# Altium PCB PCIE_X4_X16_ADP_V1.PcbDoc
Units mm, origin at the board's own origin, x right, y up, seen from the top; angles counter-clockwise.
Board outline 140 x 60 mm, 4 copper layers (L1 [TOP], L2, L3, L4 [BOT]), stack 1.548 mm thick; 25 components, 43 nets, 266 pads, 530 vias.
Unrouted connection lines stored in the file: 154.
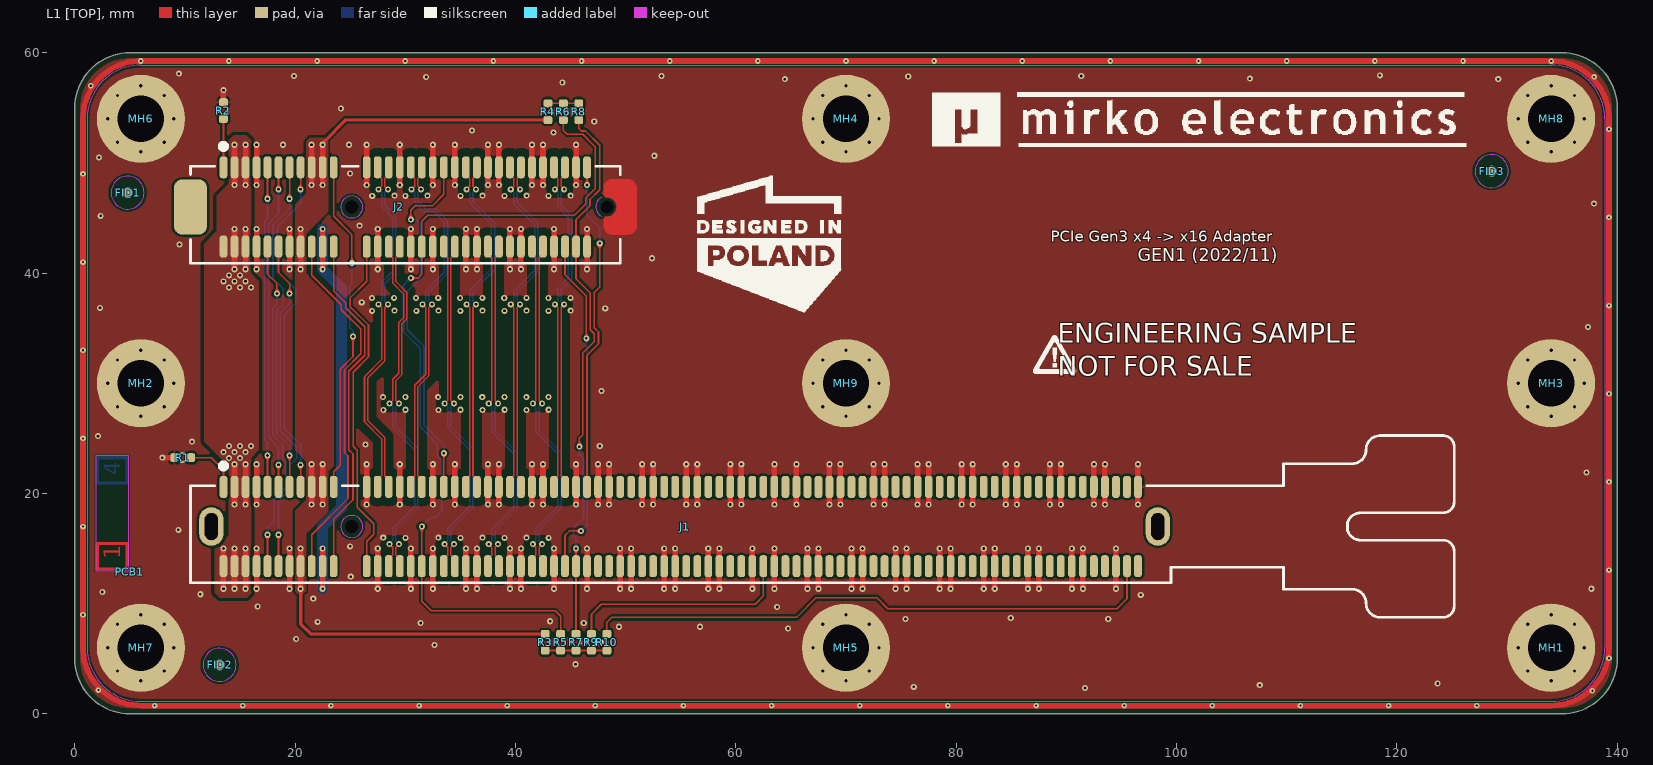
[diagram p0: L1 [TOP] view]
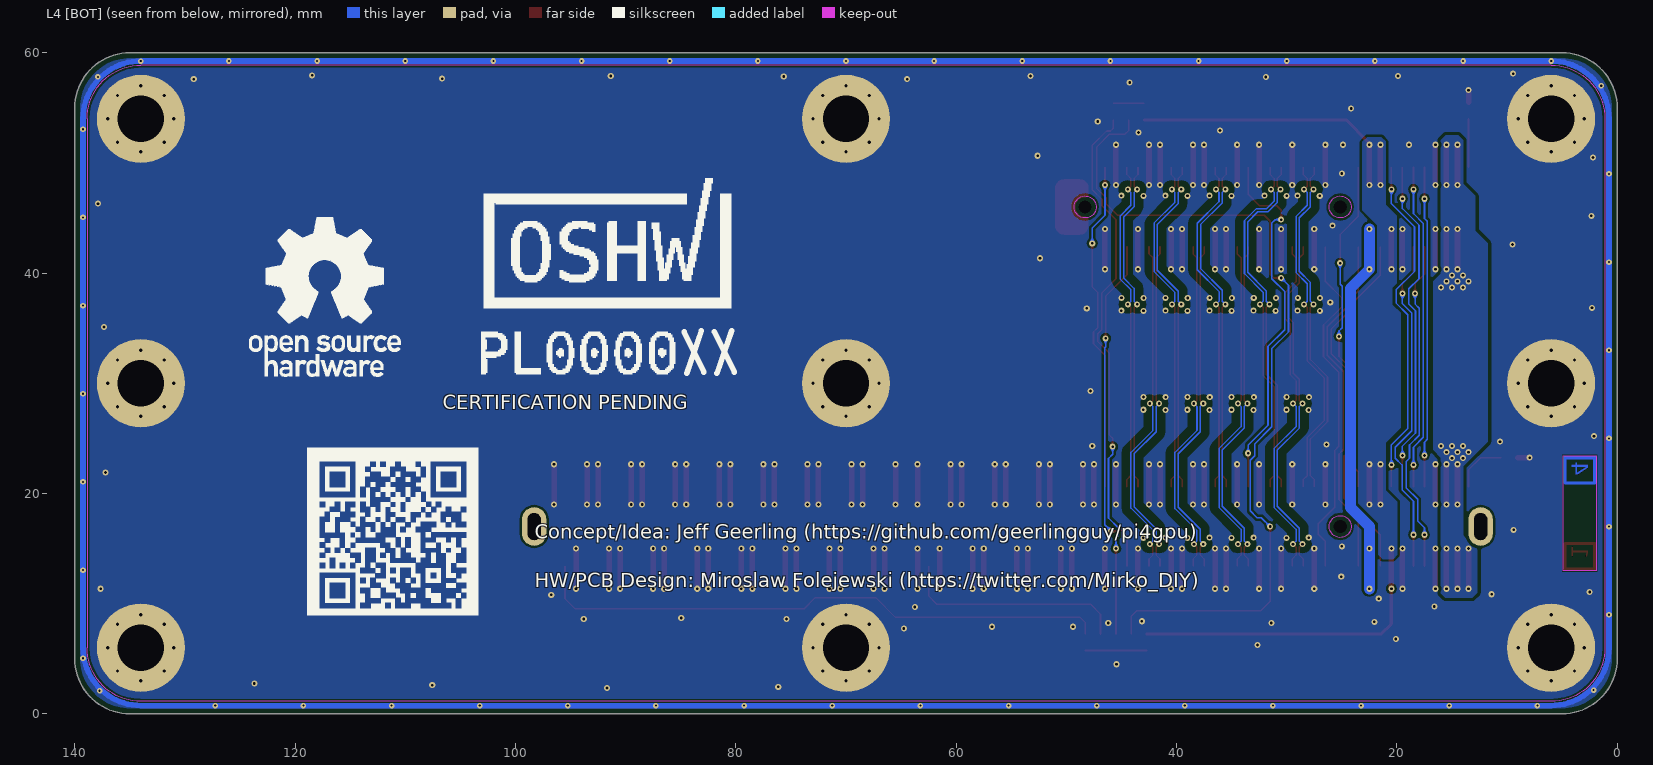
[diagram p1: L4 [BOT] view, seen from below]
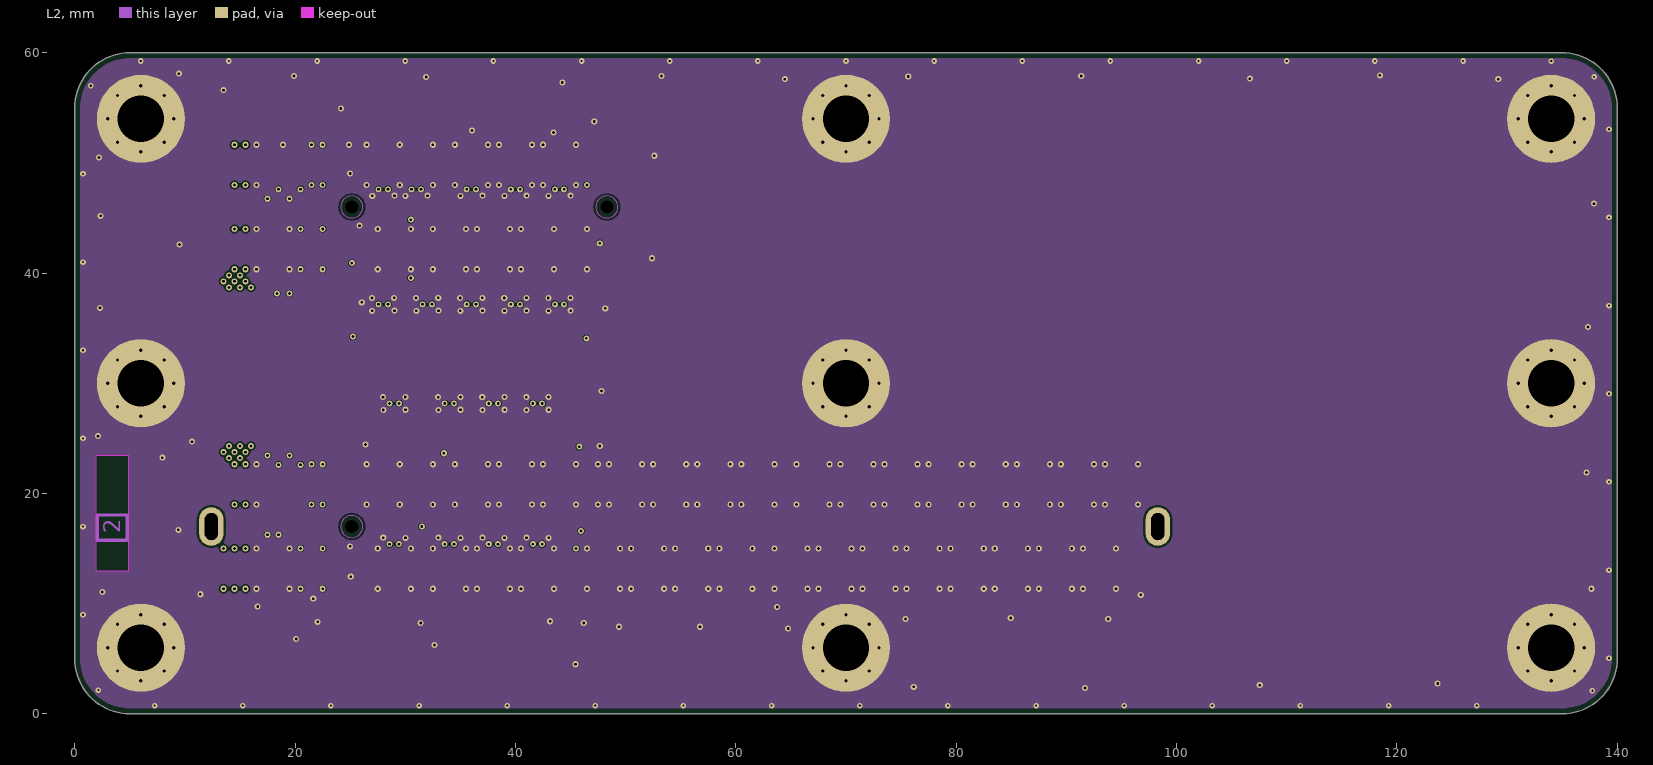
[diagram p2: L2]
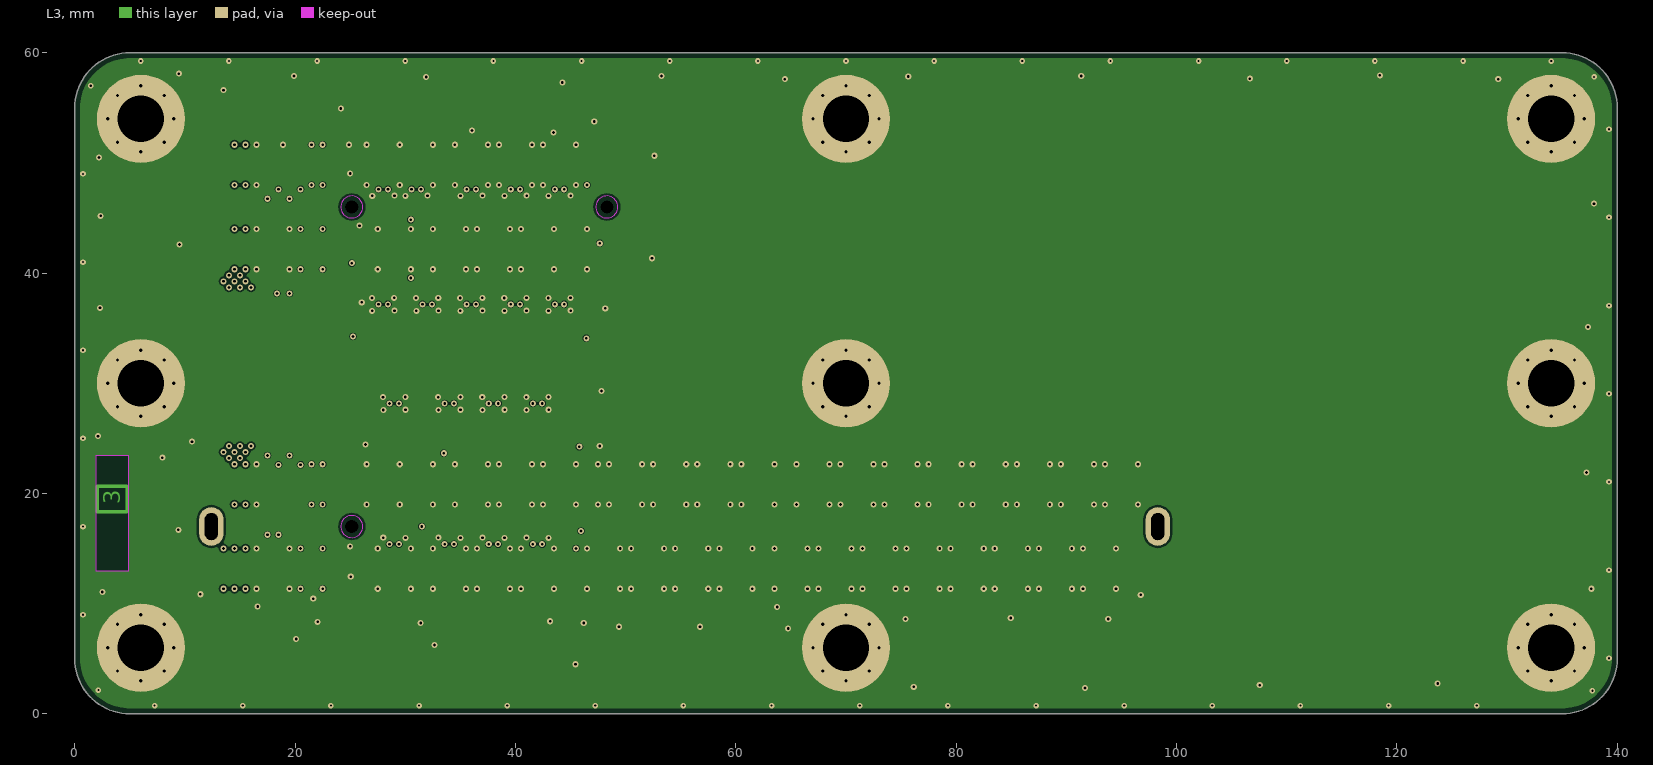
[diagram p3: L3]
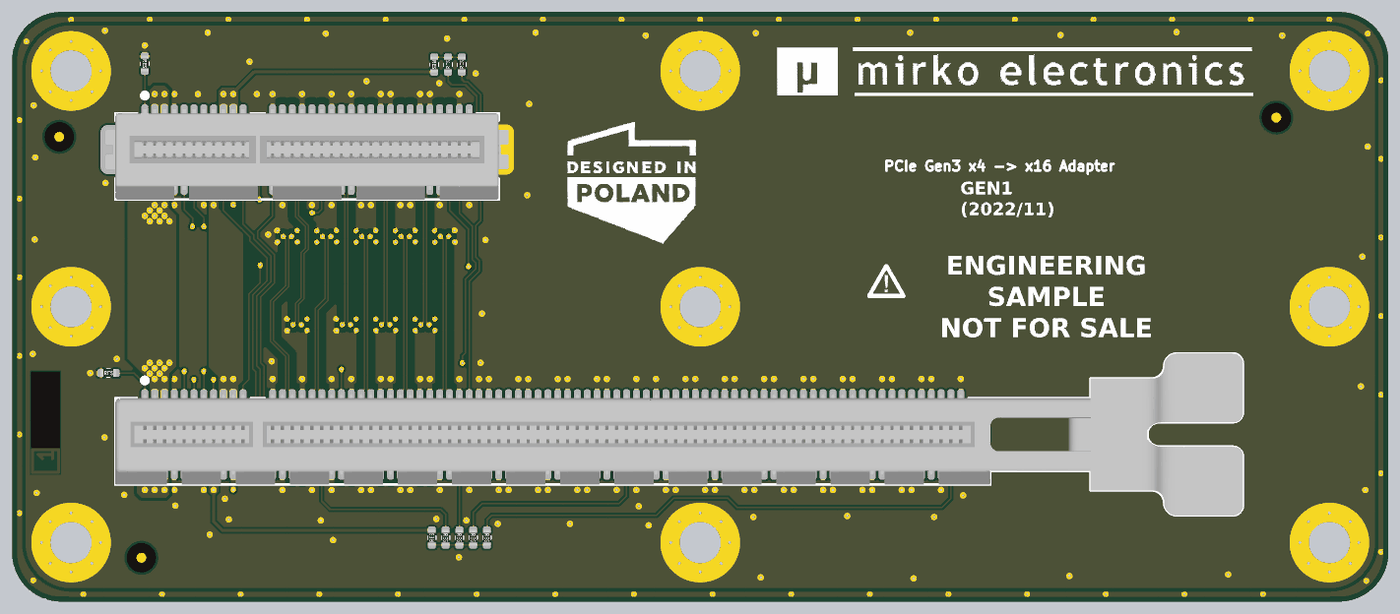
[diagram p4: 3D render of the assembled board from above, using the file's embedded part models]

## Layer stack, top to bottom
Solder [TOP]: solder mask 0.01, Solder Resist, Dk 3.5
L1 [TOP]: signal copper 0.035
prepreg #1: prepreg 0.089, PP-006, Dk 4.05
L2: signal copper 0.0175
Core: dielectric 1.265, FR-4, Dk 4.05
L3: signal copper 0.0175
prepreg #2: prepreg 0.089, PP-006, Dk 4.05
L4 [BOT]: signal copper 0.035
Solder [BOT]: solder mask 0.01, Solder Resist, Dk 3.5

## Board outline
0,5 ccw(c5,5) 5,0 135,0 ccw(c135,5) 140,5 140,55 ccw(c135,55) 135,60 5,60 ccw(c5,55) 0,55

## Design rules (kind name [scope] priority, off if disabled: settings)
BoardOutlineClearance BoardOutlineClearance_indicator [InComponent('PCB1')] p1: gap=0 ignorepadtopadclearanceinfootprint=FALSE
BoardOutlineClearance BoardOutlineClearance_Silk [IsText] p2: gap=0 ignorepadtopadclearanceinfootprint=FALSE
BoardOutlineClearance [All] p3: gap=0.5 ignorepadtopadclearanceinfootprint=FALSE
Clearance Clearance_PP12000H [InNet('PP12000H')] p1: gap=0.3 ignorepadtopadclearanceinfootprint=FALSE
Clearance Clearance_marking [InComponent('PCB1')] p2: gap=0 ignorepadtopadclearanceinfootprint=FALSE
Clearance Clearance_Diff_to_Plane [(InDifferentialPairClass('All Differential Pairs') AND OnLayer('L1 [TOP]')) OR (InDifferentialPairClass('All Differential Pairs') AND OnLayer('L4 [BOT]')) vs (OnLayer('L1 [TOP]') AND InPolygon) OR (OnLayer('L4 [BOT]') AND InPolygon)] p3: gap=0.75 ignorepadtopadclearanceinfootprint=FALSE
Clearance Clearance_polygon [InPolygon] p4: gap=0.2 ignorepadtopadclearanceinfootprint=FALSE
Clearance [All] p5: gap=0.15 ignorepadtopadclearanceinfootprint=FALSE
DiffPairsRouting DiffPairsRouting_90R [InDifferentialPairClass('PCIE')] p1: maxlimit=0.254 minlimit=0.1 mostfreqgap=0.254 toplayer_mingap=0.152 toplayer_maxgap=0.152 toplayer_prefgap=0.152 toplayer_minwidth=0.141 toplayer_maxwidth=0.141 toplayer_prefwidth=0.141 bottomlayer_mingap=0.152 bottomlayer_maxgap=0.152 bottomlayer_prefgap=0.152 bottomlayer_minwidth=0.141 bottomlayer_maxwidth=0.141 bottomlayer_prefwidth=0.141 impedanceprofiledriven=TRUE impedanceprofileid={8FC450CF-D034-4B47-A42F-9FC182DC13DA} impedanceprofilevalue=90.000000 maxuncoupledlength=12.7 // Camera
DiffPairsRouting [All] p2: maxlimit=0.254 minlimit=0.254 mostfreqgap=0.254 toplayer_minwidth=0.381 toplayer_maxwidth=0.381 toplayer_prefwidth=0.381 midlayer1_minwidth=0.381 midlayer1_maxwidth=0.381 midlayer1_prefwidth=0.381 midlayer2_minwidth=0.381 midlayer2_maxwidth=0.381 midlayer2_prefwidth=0.381 bottomlayer_minwidth=0.381 bottomlayer_maxwidth=0.381 bottomlayer_prefwidth=0.381 maxuncoupledlength=12.7
HoleSize [All] p1: absolutevalues=TRUE maxlimit=5 minlimit=0.2 maxpercent=80.000 minpercent=20.000
HoleToHoleClearance [All] p1: gap=0.4 allowstackedmicrovias=TRUE
MatchedLengths MatchedLengths_PCIE [InDifferentialPairClass('PCIE')] p1: tolerance=3 checknetsindiffpair=FALSE checkdiffpairvsdiffpair=TRUE checkxsignals=TRUE checkothers=TRUE
MatchedLengths [InDifferentialPair('No Differential Pair')] p2: tolerance=0.05 checknetsindiffpair=TRUE checkdiffpairvsdiffpair=FALSE checkxsignals=FALSE checkothers=FALSE
MinimumAnnularRing [All] p1: minimumring=0.1
MinimumSolderMaskSliver [All] p1: minsoldermaskwidth=0.05
PlaneClearance [All] p1: clearance=0.5
PlaneConnect [All] p1: planeconnectstyle=Relief reliefexpansion=0.5 reliefentries=4 reliefconductorwidth=0.5 reliefairgap=0.3
PolygonConnect PolygonConnect_via [IsVia] p1: connectstyle=Direct reliefconductorwidth=0.254 reliefentries=4 polygonreliefangle="90 Angle" airgapwidth=0.254
PolygonConnect [All] p2: thpad.connectstyle=Relief thpad.reliefconductorwidth=0.5 thpad.reliefentries=4 thpad.polygonreliefangle="90 Angle" thpad.airgapwidth=0.3 smdpad.connectstyle=Relief smdpad.reliefconductorwidth=0.25 smdpad.reliefentries=4 smdpad.polygonreliefangle="90 Angle" smdpad.airgapwidth=0.2 via.connectstyle=Direct via.reliefconductorwidth=0.2 via.reliefentries=4 via.polygonreliefangle="90 Angle" via.airgapwidth=0.3
RoutingVias [All] p1: holewidth=0.3 width=0.65 viastyle="Through Hole" minholewidth=0.2 minwidth=0.45 maxholewidth=0.4 maxwidth=0.8
SilkToSilkClearance [All] p1: silktosilkclearance=0.15
SilkToSolderMaskClearance [IsPad] p1: minsilkscreentomaskgap=0.1 clearancetoexposedcopper=TRUE
SolderMaskExpansion SolderMaskExpansion_via [IsVia] p1: expansion=-10 istentingtop=FALSE
SolderMaskExpansion [All] p2: expansion=0.05 istentingtop=FALSE
Width [All] p1: maxlimit=4 minlimit=0.1 preferedwidth=0.2
22 further rules are at their usual default settings.

## Classes and differential pairs
differential pair class PCIE: PER0 PER1 PER2 PER3 PET0 PET1 PET2 PET3 REFCLK
differential pair REFCLK: +REFCLK_P -REFCLK_N
differential pair PET3: +PET3_P -PET3_N
differential pair PET2: +PET2_P -PET2_N
differential pair PET1: +PET1_P -PET1_N
differential pair PET0: +PET0_P -PET0_N
differential pair PER3: +PER3_P -PER3_N
differential pair PER2: +PER2_P -PER2_N
differential pair PER1: +PER1_P -PER1_N
differential pair PER0: +PER0_P -PER0_N

## Components (designator, comment, footprint, x,y, rotation, side; value= is the part's Value field where it differs from the comment)
FID1 "Fiducial" PCB_FID_RND_100x300 4.8,47.3 r0 top
FID2 "Fiducial" PCB_FID_RND_100x300 13.15,4.45 r90 top
FID3 "Fiducial" PCB_FID_RND_100x300 128.6,49.25 r90 top
J1 "PCIE x16, 164P, SMD" CON_UMX_91621-120113N 55.35,17 r0 top locked
J2 "PCIE x4, 64P, SMD" CON_UMX_91611-11011T 30,46 r0 top locked
MH1 "H420_C800" PCB_MH_H420_C800 134,6 r0 top locked
MH2 "H420_C800" PCB_MH_H420_C800 6,30 r0 top locked
MH3 "H420_C800" PCB_MH_H420_C800 134,30 r0 top locked
MH4 "H420_C800" PCB_MH_H420_C800 70,54 r0 top locked
MH5 "H420_C800" PCB_MH_H420_C800 70,6 r0 top locked
MH6 "H420_C800" PCB_MH_H420_C800 6,54 r0 top locked
MH7 "H420_C800" PCB_MH_H420_C800 6,6 r0 top locked
MH8 "H420_C800" PCB_MH_H420_C800 134,54 r0 top locked
MH9 "H420_C800" PCB_MH_H420_C800 70,30 r0 top locked
PCB1 "PCB_LAYER_STACKUP" PCB_STACKUP-4L 5,12.9 r90 top
R1 "DNP" RES_0603_R 9.8,23.25 r0 top
R2 "DNP" RES_0603_R 13.5,54.75 r270 top
R3 "DNP" RES_0603_R 42.7,6.5 r90 top
R4 "DNP" RES_0603_R 42.95,54.65 r270 top
R5 "DNP" RES_0603_R 44.1,6.5 r270 top
R6 "DNP" RES_0603_R 44.35,54.65 r90 top
R7 "DNP" RES_0603_R 45.5,6.5 r270 top
R8 "DNP" RES_0603_R 45.75,54.65 r90 top
R9 "DNP" RES_0603_R 46.9,6.5 r270 top
R10 "DNP" RES_0603_R 48.3,6.5 r270 top

## Footprints (in the part's own frame and the unit in brackets; to place one, negate y for a bottom-side part, rotate by r counter-clockwise, add the part's x,y. Pads: shape width x height; smd on the part's side, far side on the other; paste and mask are expansions set on the pad)
CON_UMX_91611-11011T [mm]
  rrect75% 0.7x2 smd: A01(-16.5,3.6) A02(-15.5,3.6) A03(-14.5,3.6) A04(-13.5,3.6) A05(-12.5,3.6) A06(-11.5,3.6) A07(-10.5,3.6) A08(-9.5,3.6) A09(-8.5,3.6) A10(-7.5,3.6) A11(-6.5,3.6) A12(-3.5,3.6) A13(-2.5,3.6) A14(-1.5,3.6) A15(-0.5,3.6) A16(0.5,3.6) A17(1.5,3.6) A18(2.5,3.6) A19(3.5,3.6) A20(4.5,3.6) A21(5.5,3.6) A22(6.5,3.6) A23(7.5,3.6) A24(8.5,3.6) A25(9.5,3.6) A26(10.5,3.6) A27(11.5,3.6) A28(12.5,3.6) A29(13.5,3.6) A30(14.5,3.6) A31(15.5,3.6) A32(16.5,3.6) B01(-16.5,-3.6) B02(-15.5,-3.6) B03(-14.5,-3.6) B04(-13.5,-3.6) B05(-12.5,-3.6) B06(-11.5,-3.6) B07(-10.5,-3.6) B08(-9.5,-3.6) B09(-8.5,-3.6) B10(-7.5,-3.6) B11(-6.5,-3.6) B12(-3.5,-3.6) B13(-2.5,-3.6) B14(-1.5,-3.6) B15(-0.5,-3.6) B16(0.5,-3.6) B17(1.5,-3.6) B18(2.5,-3.6) B19(3.5,-3.6) B20(4.5,-3.6) B21(5.5,-3.6) B22(6.5,-3.6) B23(7.5,-3.6) B24(8.5,-3.6) B25(9.5,-3.6) B26(10.5,-3.6) B27(11.5,-3.6) B28(12.5,-3.6) B29(13.5,-3.6) B30(14.5,-3.6) B31(15.5,-3.6) B32(16.5,-3.6)
  rrect50% 3x5 smd: MH(-19.5,0)
  round 0 hole 1.2 unplated mask+0.1: MH(-4.85,0) MH(18.3,0)
  L1 [TOP] region: 18.3,0.9 18.644,0.831 18.936,0.636 18.936,0.636 19.131,0.344 19.2,0 19.2,0 19.2,0 19.131,-0.344 18.936,-0.636 18.936,-0.636 18.644,-0.831 18.3,-0.9 18.3,-0.9 18.3,-0.9 18.185,-0.923 18.088,-0.988 18.088,-0.988 18.085,-0.991 18.021,-1.086 17.999,-1.199 17.999,-1.199 17.999,-1.693 18.064,-2.022 18.25,-2.3 18.25,-2.3 18.472,-2.448 18.733,-2.5 18.733,-2.5 20.196,-2.5 20.523,-2.435 20.8,-2.25 20.8,-2.25 20.948,-2.028 21,-1.767 21,-1.767 21,1.767 20.948,2.028 20.8,2.25 20.8,2.25 20.762,2.288 20.527,2.445 20.25,2.5 20.25,2.5 18.733,2.5 18.472,2.448 18.25,2.3 18.25,2.3 18.177,2.227 18.046,2.031 18,1.8 18,1.8 18,1.2 18.021,1.084 18.086,0.987 18.086,0.987 18.086,0.987 18.183,0.923 18.296,0.9 18.296,0.9
  silkscreen extent -19.5,-5.1 19.5,5.75, body extent -20.5,-5.1 20.5,4.1, height 11
CON_UMX_91621-120113N [mm]
  rrect75% 0.7x2 smd: A01(-41.85,3.6) A02(-40.85,3.6) A03(-39.85,3.6) A04(-38.85,3.6) A05(-37.85,3.6) A06(-36.85,3.6) A07(-35.85,3.6) A08(-34.85,3.6) A09(-33.85,3.6) A10(-32.85,3.6) A11(-31.85,3.6) A12(-28.85,3.6) A13(-27.85,3.6) A14(-26.85,3.6) A15(-25.85,3.6) A16(-24.85,3.6) A17(-23.85,3.6) A18(-22.85,3.6) A19(-21.85,3.6) A20(-20.85,3.6) A21(-19.85,3.6) A22(-18.85,3.6) A23(-17.85,3.6) A24(-16.85,3.6) A25(-15.85,3.6) A26(-14.85,3.6) A27(-13.85,3.6) A28(-12.85,3.6) A29(-11.85,3.6) A30(-10.85,3.6) A31(-9.85,3.6) A32(-8.85,3.6) A33(-7.85,3.6) A34(-6.85,3.6) A35(-5.85,3.6) A36(-4.85,3.6) A37(-3.85,3.6) A38(-2.85,3.6) A39(-1.85,3.6) A40(-0.85,3.6) A41(0.15,3.6) A42(1.15,3.6) A43(2.15,3.6) A44(3.15,3.6) A45(4.15,3.6) A46(5.15,3.6) A47(6.15,3.6) A48(7.15,3.6) A49(8.15,3.6) A50(9.15,3.6) A51(10.15,3.6) A52(11.15,3.6) A53(12.15,3.6) A54(13.15,3.6) A55(14.15,3.6) A56(15.15,3.6) A57(16.15,3.6) A58(17.15,3.6) A59(18.15,3.6) A60(19.15,3.6) A61(20.15,3.6) A62(21.15,3.6) A63(22.15,3.6) A64(23.15,3.6) A65(24.15,3.6) A66(25.15,3.6) A67(26.15,3.6) A68(27.15,3.6) A69(28.15,3.6) A70(29.15,3.6) A71(30.15,3.6) A72(31.15,3.6) A73(32.15,3.6) A74(33.15,3.6) A75(34.15,3.6) A76(35.15,3.6) A77(36.15,3.6) A78(37.15,3.6) A79(38.15,3.6) A80(39.15,3.6) A81(40.15,3.6) A82(41.15,3.6) B01(-41.85,-3.6) B02(-40.85,-3.6) B03(-39.85,-3.6) B04(-38.85,-3.6) B05(-37.85,-3.6) B06(-36.85,-3.6) B07(-35.85,-3.6) B08(-34.85,-3.6) B09(-33.85,-3.6) B10(-32.85,-3.6) B11(-31.85,-3.6) B12(-28.85,-3.6) B13(-27.85,-3.6) B14(-26.85,-3.6) B15(-25.85,-3.6) B16(-24.85,-3.6) B17(-23.85,-3.6) B18(-22.85,-3.6) B19(-21.85,-3.6) B20(-20.85,-3.6) B21(-19.85,-3.6) B22(-18.85,-3.6) B23(-17.85,-3.6) B24(-16.85,-3.6) B25(-15.85,-3.6) B26(-14.85,-3.6) B27(-13.85,-3.6) B28(-12.85,-3.6) B29(-11.85,-3.6) B30(-10.85,-3.6) B31(-9.85,-3.6) B32(-8.85,-3.6) B33(-7.85,-3.6) B34(-6.85,-3.6) B35(-5.85,-3.6) B36(-4.85,-3.6) B37(-3.85,-3.6) B38(-2.85,-3.6) B39(-1.85,-3.6) B40(-0.85,-3.6) B41(0.15,-3.6) B42(1.15,-3.6) B43(2.15,-3.6) B44(3.15,-3.6) B45(4.15,-3.6) B46(5.15,-3.6) B47(6.15,-3.6) B48(7.15,-3.6) B49(8.15,-3.6) B50(9.15,-3.6) B51(10.15,-3.6) B52(11.15,-3.6) B53(12.15,-3.6) B54(13.15,-3.6) B55(14.15,-3.6) B56(15.15,-3.6) B57(16.15,-3.6) B58(17.15,-3.6) B59(18.15,-3.6) B60(19.15,-3.6) B61(20.15,-3.6) B62(21.15,-3.6) B63(22.15,-3.6) B64(23.15,-3.6) B65(24.15,-3.6) B66(25.15,-3.6) B67(26.15,-3.6) B68(27.15,-3.6) B69(28.15,-3.6) B70(29.15,-3.6) B71(30.15,-3.6) B72(31.15,-3.6) B73(32.15,-3.6) B74(33.15,-3.6) B75(34.15,-3.6) B76(35.15,-3.6) B77(36.15,-3.6) B78(37.15,-3.6) B79(38.15,-3.6) B80(39.15,-3.6) B81(40.15,-3.6) B82(41.15,-3.6)
  round 0 hole 1.2 unplated mask+0.1: MH(-30.2,0)
  oval 2.2x3.5 hole 1.2 slot 2.45 at 90 deg: MH1(-42.95,0) MH2(42.95,0)
  silkscreen extent -44.85,-8.24 69.85,8.25, body extent -44.85,-8.25 69.85,8.25, height 16.93
PCB_FID_RND_100x300 [mm]
  round 1 smd paste-10 mask+1: 0(0,0)
  L1 [TOP] pour cut-out: -1.6,0 -1.478,-0.612 -1.131,-1.131 -0.612,-1.478 0,-1.6 0,-1.6 0.612,-1.478 1.131,-1.131 1.478,-0.612 1.6,0 1.6,0 1.478,0.612 1.131,1.131 0.612,1.478 0,1.6 0,1.6 -0.612,1.478 -1.131,1.131 -1.478,0.612 -1.6,0
  L1 [TOP] keep-out circle w0.05: c0,0 r1.5
PCB_MH_H420_C800 [mm]
  round 8 hole 4.2: MH(0,0)
PCB_STACKUP-4L [mm]
  L1 [TOP] pour cut-out: 0,3.2 10.6,3.2 10.6,0 0,0
  L1 [TOP] lines w0.3: 0.25,2.95 0.25,0.25 2.55,0.25 2.55,2.95 0.25,2.95
  L2 lines w0.3: 2.85,2.95 5.15,2.95 5.15,0.25 2.85,0.25 2.85,2.95
  L3 lines w0.3: 5.45,2.95 7.75,2.95 7.75,0.25 5.45,0.25 5.45,2.95